# Altium PCB PCB.PcbDoc
Units mm, origin at the board's own origin, x right, y up, seen from the top; angles counter-clockwise.
Board outline 93 x 70 mm, 2 copper layers (Top Layer, Bottom Layer), stack 1.57 mm thick; 108 components, 72 nets, 346 pads, 459 vias.
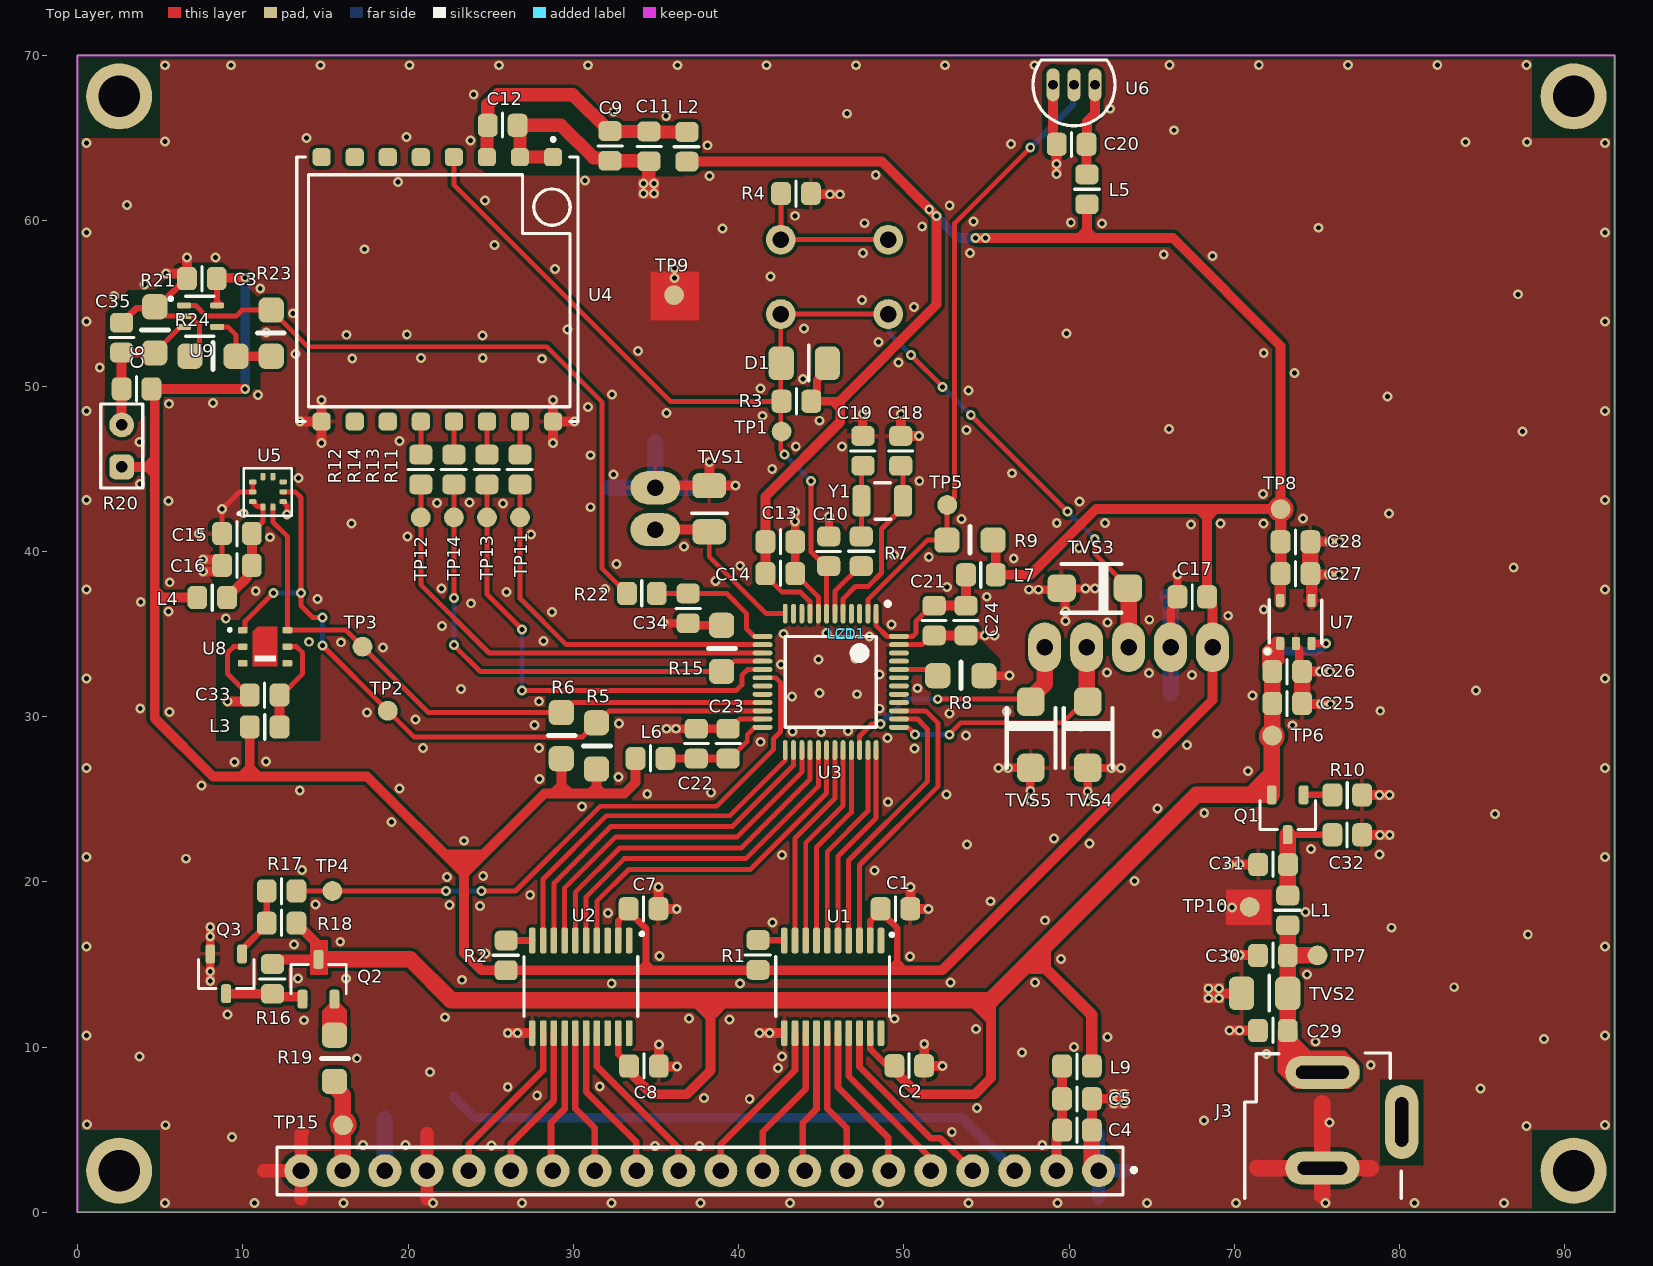
[diagram p0: Top Layer view]
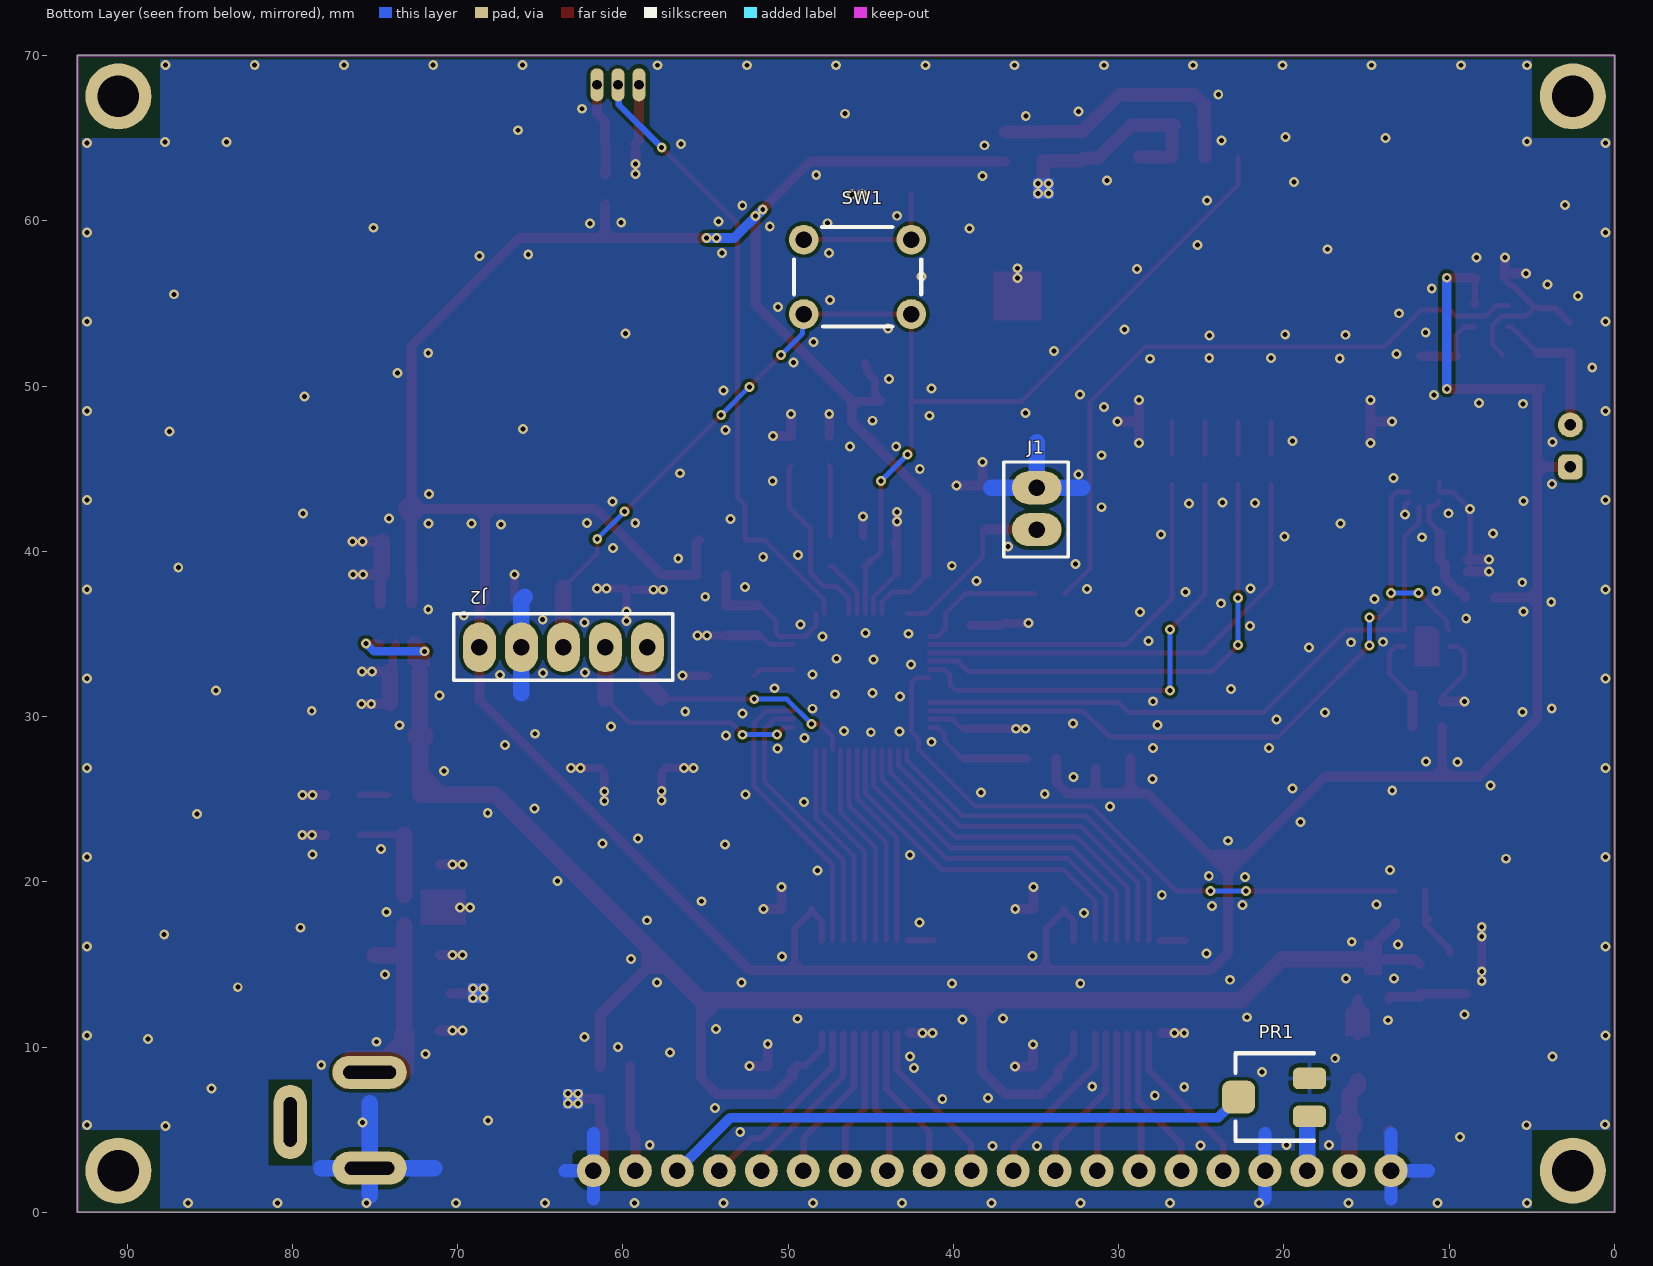
[diagram p1: Bottom Layer view, seen from below]

## Layer stack, top to bottom
Top Solder: solder mask 0.0254, SM-001, Dk 4
Top Layer: signal copper 0.035
Dielectric 1: core 1.5, Core-043, Dk 4.3
Bottom Layer: signal copper 0.035
Bottom Solder: solder mask 0.0254, SM-001, Dk 4

## Board outline
0,0 93,0 93,69.999 0.001,69.999 0,70

## Design rules (kind name [scope] priority, off if disabled: settings)
Clearance [All] p1: gap=0.2 ignorepadtopadclearanceinfootprint=FALSE except(0: Arc-Hole Track-Hole SMDPad-Hole THPad-Hole Via-Hole Fill-Hole Poly-Hole Region-Hole Text-Hole)
ComponentClearance [InComponent('Radiator1')] p1: gap=0 collisioncheckmode=3 verticalgap=0 showdistances=FALSE
Height [All] p1: minheight=0 maxheight=40 prefheight=12.7
HoleSize [All] p1: absolutevalues=TRUE maxlimit=5 minlimit=0.025 maxpercent=80.000 minpercent=20.000
MinimumSolderMaskSliver MinimumSolderMaskSliver_1 [All] p1: minsoldermaskwidth=0.08
MinimumSolderMaskSliver MinimumSolderMaskSliver_APDS [InComponent('U2')] p2: minsoldermaskwidth=0.08
PolygonConnect PolygonConnect_1 [HasFootprint('PN949')] p1: connectstyle=Relief reliefconductorwidth=0.5 reliefentries=4 polygonreliefangle="90 Angle" airgapwidth=0.254
PolygonConnect PolygonConnect_Via [IsVia] p2: connectstyle=Direct reliefconductorwidth=0.254 reliefentries=4 polygonreliefangle="90 Angle" airgapwidth=0.254
PolygonConnect [All] p3: connectstyle=Relief reliefconductorwidth=0.254 reliefentries=4 polygonreliefangle="90 Angle" airgapwidth=0.254
RoomDefinition PSU [InComponentClass('PSU')] p1: confinementstyle=ConfineIn formatcopy=TRUE lockcomponents=FALSE outline -103.325,-45.2 189.45,-45.2 189.45,185.525 -103.325,185.525
RoomDefinition Main [InComponentClass('Main')] p2: confinementstyle=ConfineIn formatcopy=TRUE lockcomponents=FALSE outline -128.55,-45.2 225.025,-45.2 225.025,160.2 -128.55,160.2
RoomDefinition "LCD module" [InComponentClass('LCD module')] p3: confinementstyle=ConfineIn formatcopy=TRUE lockcomponents=FALSE outline -105.8,-45.2 216.275,-45.2 216.275,184.575 -105.8,184.575
RoutingVias [All] p1: holewidth=0.3 width=0.6 viastyle="Through Hole" minholewidth=0.3 minwidth=0.5 maxholewidth=0.3 maxwidth=0.7
SilkToSilkClearance [All] p1: silktosilkclearance=0.1
SilkToSolderMaskClearance [IsPad] p1: minsilkscreentomaskgap=0.2 clearancetoexposedcopper=TRUE
SolderMaskExpansion [All] p1: expansion=0.102
Width [All] p1: maxlimit=10 minlimit=0.3 preferedwidth=0.5 minimp=50.000000 maximp=50.000000 favimp=50.000000
24 further rules are at their usual default settings.

## Classes and differential pairs
net class LCD_D[7..0]: LCD_D0 LCD_D1 LCD_D2 LCD_D3 LCD_D4 LCD_D5 LCD_D6 LCD_D7
component class PSU: C25 C26 C27 C28 C29 C30 C31 C32 J3 L1 Q1 R10 TP6 TP7 TP8 TP9 TP10 TVS2 U7
component class Main: C3 C6 C9 C10 C11 C12 C13 C14 C15 C16 C17 C18 C19 C20 C21 C22 C23 C24 C33 C34 C35 CASING1 D1 J1 J2 L2 L3 L4 L5 L6 L7 PS1 R3 R4 R5 R6 R7 R8 R9 R11 R12 R13 R14 R15 R20 R21 R22 R23 R24 SW1 TP1 TP2 TP3 TP5 TP11 TP12 TP13 TP14 TVS1 TVS3 TVS4 TVS5 U3 U4 U5 U6 U8 U9 Y1 Z1
component class "LCD module": C1 C2 C4 C5 C7 C8 L9 LCD1 PR1 Q2 Q3 R1 R2 R16 R17 R18 R19 TP4 TP15 U1 U2

## Components (designator, comment, footprint, x,y, rotation, side; value= is the part's Value field where it differs from the comment)
C1 "Capacitor" C_0805 49.49,18.375 r0 top value=100n
C2 "Capacitor" C_0805 50.325,8.875 r180 top value=100n
C3 "Capacitor" C_0805 7.525,56.5 r0 top value=100n
C4 "Capacitor" C_0805 60.475,4.975 r0 top value=100n
C5 "Capacitor" C_0805 60.475,6.875 r0 top value=22u
C6 "Capacitor" C_0805 3.575,49.825 r180 top value=DNI
C7 "Capacitor" C_0805 34.25,18.375 r0 top value=100n
C8 "Capacitor" C_0805 34.275,8.85 r180 top value=100n
C9 "Capacitor" C_0805 32.225,64.525 r90 top value=10u
C10 "Capacitor" C_0805 45.453,40 r270 top value=100n
C11 "Capacitor" C_0805 34.575,64.5 r90 top value=10u
C12 "Capacitor" C_0805 25.725,65.775 r180 top value=100n
C13 "Capacitor" C_0805 42.525,40.575 r180 top value=1u
C14 "Capacitor" C_0805 42.525,38.65 r180 top value=10n
C15 "Capacitor" C_0805 9.65,41.075 r0 top value=100n
C16 "Capacitor" C_0805 9.65,39.15 r0 top value=10u
C17 "Capacitor" C_0805 67.45,37.25 r0 top value=100n
C18 "Capacitor" C_0805 49.815,46.077 r270 top value=14p
C19 "Capacitor" C_0805 47.524,46.077 r270 top value=14p
C20 "Capacitor" C_0805 60.15,64.625 r0 top value=100n
C21 "Capacitor" C_0805 51.837,35.809 r270 top value=22u
C22 "Capacitor" C_0805 37.443,28.362 r90 top value=22u
C23 "Capacitor" C_0805 39.364,28.362 r90 top value=100n
C24 "Capacitor" C_0805 53.758,35.809 r270 top value=100n
C25 "Capacitor" C_0805 73.195,30.8 r0 top value=1u
C26 "Capacitor" C_0805 73.195,32.725 r0 top value=100n
C27 "Capacitor" C_0805 73.695,38.65 r0 top value=100n
C28 "Capacitor" C_0805 73.695,40.575 r0 top value=1u
C29 "Capacitor" C_0805 72.325,11 r180 top value=100n
C30 "Capacitor" C_0805 72.325,15.55 r180 top value=100n
C31 "Capacitor" C_0805 72.336,21.05 r180 top value=100n
C32 "Capacitor" C_0805 76.825,22.85 r0 top value=10u
C33 "Capacitor" C_0805 11.325,31.306 r0 top value=100n
C34 "Capacitor" C_0805 36.95,36.55 r90 top value=10n
C35 "Capacitor" C_0805 2.675,52.925 r90 top value=DNI
D1 "SS110-TP" D_1206 43.974,51.375 r0 top
J1 "Header 2" "header 2.54mm 2pin" 34.959,42.576 r90 bottom value=HDR2
J2 "Header 5" "header 2.54mm 5pin" 63.601,34.19 r180 bottom value=HDR5
J3 "PWR2.5" WE_WR_DC_694106301002 75.325,-5.125 r180 top
L1 "742792031" L_0805 73.225,18.275 r90 top value=300@100M
L2 "Inductor" L_0805 36.875,64.475 r90 top value=10u
L3 "742792031" L_0805 11.325,29.375 r180 top value=300@100M
L4 "742792031" L_0805 8.15,37.2 r180 top value=300@100M
L5 "742792031" L_0805 61.075,61.9 r270 top value=300@100M
L6 "742792031" L_0805 34.67,27.464 r0 top value=300@100M
L7 "742792031" L_0805 54.66,38.579 r180 top value=300@100M
L9 "742792031" L_0805 60.475,8.85 r180 top value=300@100M
LCD1 "ABG128064A05-FHW-R" GLCD 13.525,2.524 r0 top locked
PR1 "T67W-20K" "1804 potentiometer" 20.604,6.957 r90 bottom
Q1 "MOSFET-P" SOT-23 73.225,24.044 r270 top
Q2 "MOSFET-N" SOT-23 14.585,14.119 r90 top
Q3 "BC817-40-DIO" SOT-23 9,14.425 r270 top
R1 "Resistor" R_0805 41.175,15.575 r90 top value=62k
R2 "Resistor" R_0805 25.939,15.55 r90 top value=62k
R3 "Resistor" R_0805 43.499,49.075 r0 top value=10k
R4 "Resistor" R_0805 43.474,61.65 r180 top value=330
R5 "Resistor" R_1206 31.4,28.225 r270 top value=10k
R6 "Resistor" R_1206 29.275,28.85 r270 top value=10k
R7 "Resistor" R_0805 47.425,40 r270 top value=0
R8 "Resistor" R_1206 53.447,32.475 r0 top value=10k
R9 "Resistor" R_1206 54,40.675 r0 top value=4k7
R10 "Resistor" R_0805 76.825,25.263 r180 top value=10k
R11 "Resistor" R_0805 26.775,44.95 r90 top value=22R
R12 "Resistor" R_0805 20.775,44.95 r90 top value=22R
R13 "Resistor" R_0805 24.775,44.95 r90 top value=22R
R14 "Resistor" R_0805 22.775,44.95 r90 top value=22R
R15 "Resistor" R_1206 38.975,34.125 r270 top value=10k
R16 "Resistor" R_0805 11.8,14.125 r90 top value=2k2
R17 "Resistor" R_0805 12.35,19.45 r180 top value=15k
R18 "Resistor" R_0805 12.35,17.5 r0 top value=150k
R19 "Resistor" R_1206 15.55,9.325 r270 top value=4R
R20 "PGM5506-MP" Photoresistor 2.675,46.375 r90 top value=2-6k
R21 "Resistor" R_1206 4.675,53.397 r270 top value=10k
R22 "Resistor" R_0805 34.15,37.45 r0 top value=22R
R23 "Resistor" R_1206 11.725,53.197 r90 top value=2k
R24 "Resistor" R_1206 8.2,51.8 r0 top value=1k
SW1 "Switch-PB 4 Pins" SPST_NO_1301 45.803,56.606 r180 bottom value=TACT-64N-F
TP1 "TEST PAD" PIN 42.603,47.25 r90 top
TP2 "TEST PAD" PIN 18.776,30.349 r90 top
TP3 "TEST PAD" PIN 17.25,34.231 r90 top
TP4 "TEST PAD" PIN 15.425,19.45 r90 top
TP5 "TEST PAD" PIN 52.625,42.8 r90 top
TP6 "TEST PAD" PIN 72.295,28.85 r0 top
TP7 "TEST PAD" PIN 75.024,15.549 r90 top
TP8 "TEST PAD" PIN 72.795,42.55 r0 top
TP9 "TEST PAD" PIN 36.1,55.5 r90 top
TP10 "TEST PAD" PIN 70.925,18.475 r90 top
TP11 "TEST PAD" PIN 26.775,42.05 r90 top
TP12 "TEST PAD" PIN 20.775,42.05 r90 top
TP13 "TEST PAD" PIN 24.775,42.05 r90 top
TP14 "TEST PAD" PIN 22.775,42.05 r90 top
TP15 "TEST PAD" PIN 16.065,5.275 r90 top
TVS1 "SMAJ5.0ALFCT-ND" D_1206 38.225,42.575 r270 top value=5V
TVS2 "SMAJ5.0ALFCT-ND" D_1206 71.828,13.25 r0 top value=5V
TVS3 "SMAJ5.0ALFCT-ND" D_SMA 61.55,37.775 r0 top value=5V
TVS4 "SMAJ5.0ALFCT-ND" D_SMA 61.125,28.9 r90 top value=5V
TVS5 "SMAJ5.0ALFCT-ND" D_SMA 57.675,28.9 r90 top value=5V
U1 "TXB0108PWR" TSSOP20 48.615,16.45 r180 top
U2 "TXB0108PWR" TSSOP20 33.375,16.45 r180 top
U3 "STM32F030C6T6" LQFP-48 45.575,32.099 r270 top
U4 "LoRa RA-02 SX1278 433MHz" RA-02 21.775,55.85 r270 top value=RA-02
U5 "LPS25HB" LPS25HB 11.525,43.6 r180 top
U6 "DS18B20" TO-92 60.295,68.225 r90 top
U7 "TPS78233" SOP5(6) 73.72,35.725 r90 top
U8 "SHT21" DFN6 11.35,34.231 r0 top
U9 "MCP6001T" SOT23-5 7.45,54.225 r0 top value=MCP6001T-I/OT
Y1 "7A-8.000MAAE-T" CFPX_217 48.693,43.05 r180 top value=8MHz
Z1 "Maszczyk KM-77GY" KM-77GY 46.5,34.975 r180 top locked

## Footprints (in the part's own frame and the unit in brackets; to place one, negate y for a bottom-side part, rotate by r counter-clockwise, add the part's x,y. Pads: shape width x height; smd on the part's side, far side on the other; paste and mask are expansions set on the pad)
"1804 potentiometer" [mm]
  rrect50% 1.3x2 smd: 1(1.15,-2.146) 3(-1.15,-2.146)
  rrect50% 2x2 smd: 2(0.018,2.146)
  silkscreen extent -2.62,-2.43 2.67,2.34, body extent -2.47,-2.57 2.53,2.23, height 2.3
C_0805 [mm] "Chip Capacitor, Body 2.0x1.3mm, IPC High Density"
  rrect50% 1.2x1.4 smd: 1(-0.9,0) 2(0.9,0)
  silkscreen extent 0,-0.75 0,0.72, body extent -1.01,-0.62 0.99,0.63, height 0.8
CFPX_217 [mm] "3.2 x 1.5mm SMD crystal"
  rrect50% 1.1x1.9 smd: 1(-1.257,0) 2(1.257,0)
  silkscreen extent -0.51,-1.09 0.46,1.12, body extent -1.57,-0.76 1.65,0.76, height 0.91
D_1206 [mil]
  rrect50% 60x80 smd: 1(-55,0) 2(55,0)
  silkscreen extent 11,-42 11,43, body extent -66,-34 66,34, height 33
D_SMA [mm]
  rrect50% 1.73x1.67 smd: 1(-2.007,0) 2(2.007,0)
  silkscreen extent -2.01,-1.5 1.63,1.45, body extent -2.55,-1.38 2.45,1.32, height 2.28
DFN6 [mm] "body 3x3mm"
  rrect50% 0.6x0.4 smd: 1(-1.35,1) 2(-1.35,0) 3(-1.35,-1) 4(1.35,-1) 5(1.35,0) 6(1.35,1)
  Top Layer region: 0.75,-1.2 -0.75,-1.2 -0.75,0.9 -0.45,1.2 0.75,1.2
  silkscreen extent -2.21,-0.89 0.66,1.09, body extent -1.5,-1.5 1.5,1.5, height 1
GLCD [mm] "graphic LCD 128x64"
  round 2 hole 1: 1(48.26,0) 2(45.72,0) 3(43.18,0) 4(40.64,0) 5(38.1,0) 6(35.56,0) 7(33.02,0) 8(30.48,0) 9(27.94,0) 10(25.4,0) 11(22.86,0) 12(20.32,0) 13(17.78,0) 14(15.24,0) 15(12.7,0) 16(10.16,0) 17(7.62,0) 18(5.08,0) 19(2.54,0) 20(0,0)
  round 4 hole 2.5: MH1(-11,0) MH2(77,0) MH3(-11,65) MH4(77,65)
  silkscreen extent -1.45,-1.45 50.52,1.42, body extent -13.53,-2.52 79.47,67.48, height 20.9
"header 2.54mm 2pin" [mm]
  oval 2x3 hole 1: 1(-1.27,0) 2(1.27,0)
  silkscreen extent -2.93,-1.9 2.83,2, body extent -2.54,-1.27 2.54,1.27, height 8.57
"header 2.54mm 5pin" [mm] "Connector; Header; 5 Position"
  oval 2x3 hole 1: 1(-5.08,0) 2(-2.54,0) 3(0,0) 4(2.54,0) 5(5.08,0)
  silkscreen extent -6.63,-2 6.63,2.02, body extent -6.35,-1.27 6.35,1.27, height 8.57
KM-77GY [mm]
  body extent -60,-40 60,40, height 19
L_0805 [mm] "Chip Inductor Body 2.0x1.2mm, IPC Medium Density"
  rrect50% 1.2x1.4 smd: 1(-0.9,0) 2(0.9,0)
  silkscreen extent 0,-0.74 0,0.76, body extent -1.01,-0.63 0.99,0.57, height 0.95
LPS25HB [mm]
  rrect50% 0.3x0.45 smd mask+0.051: 1(0.3,0.92) 2(-0.3,0.92) 6(-0.3,-0.92) 7(0.3,-0.92)
  rrect50% 0.45x0.3 smd mask+0.051: 3(-0.92,0.6) 4(-0.92,0) 5(-0.92,-0.6) 8(0.92,-0.6) 9(0.92,0) 10(0.92,0.6)
  silkscreen extent -1.43,-1.43 1.78,1.45, body extent -2.01,-1.26 1.24,1.24, height 1
LQFP-48 [mm] "Thin QFP, 48-Leads, Body 7x7mm, Pitch 0.5mm, IPC Medium Density"
  oval 1.2x0.3 smd: 1(-4.126,2.75) 2(-4.126,2.25) 3(-4.126,1.75) 4(-4.126,1.25) 5(-4.126,0.75) 6(-4.126,0.25) 7(-4.126,-0.25) 8(-4.126,-0.75) 9(-4.126,-1.25) 10(-4.126,-1.75) 11(-4.126,-2.25) 12(-4.126,-2.75) 25(4.126,-2.75) 26(4.126,-2.25) 27(4.126,-1.75) 28(4.126,-1.25) 29(4.126,-0.75) 30(4.126,-0.25) 31(4.126,0.25) 32(4.126,0.75) 33(4.126,1.25) 34(4.126,1.75) 35(4.126,2.25) 36(4.126,2.75)
  oval 0.3x1.2 smd: 13(-2.75,-4.126) 14(-2.25,-4.126) 15(-1.75,-4.126) 16(-1.25,-4.126) 17(-0.75,-4.126) 18(-0.25,-4.126) 19(0.25,-4.126) 20(0.75,-4.126) 21(1.25,-4.126) 22(1.75,-4.126) 23(2.25,-4.126) 24(2.75,-4.126) 37(2.75,4.126) 38(2.25,4.126) 39(1.75,4.126) 40(1.25,4.126) 41(0.75,4.126) 42(0.25,4.126) 43(-0.25,4.126) 44(-0.75,4.126) 45(-1.25,4.126) 46(-1.75,4.126) 47(-2.25,4.126) 48(-2.75,4.126)
  silkscreen extent -4.85,-2.75 2.75,3.58, body extent -4.5,-4.5 4.5,4.5, height 1.6
Photoresistor [mm]
  rrect50% 1.5x1.5 hole 0.7: 1(-1.27,0)
  round 1.5 hole 0.7: 2(1.27,0)
  silkscreen extent -2.54,-1.27 2.54,1.27
PIN [mm] "Test Pad"
  round 1.2 smd: 1(0,0)
R_0805 [mm] "Chip Resistor, Body 2.0x1.2mm, IPC Medium Density"
  rrect50% 1.2x1.4 smd: 1(-0.9,0) 2(0.9,0)
  silkscreen extent 0,-0.75 0,0.77, body extent -1.16,-0.67 1.14,0.68, height 0.76
R_1206 [mil]
  rrect50% 60x60 smd: 1(-55,0) 2(55,0)
  silkscreen extent 0,-31 0,33, body extent -62,-31 64,32, height 22
RA-02 [mm]
  rrect50% 1.1x1.1 smd: 1(-8,7) 2(-8,5) 3(-8,3) 4(-8,1) 5(-8,-1) 6(-8,-3) 7(-8,-5) 8(-8,-7) 9(8,-7) 10(8,-5) 11(8,-3) 12(8,-1) 13(8,1) 14(8,3) 15(8,5) 16(8,7)
  silkscreen extent -9.14,-8.51 8,8.51, body extent -8,-8.5 8,8.5
SOP5(6) [mm] "Small Outline; 6 Leads (1 Absent); Body Width 4.4 mm; Pitch 1.27 mm"
  rrect50% 0.8x0.5 smd mask+0.076: 1(-1.3,0.95) 2(-1.3,0) 3(-1.3,-0.95) 4(1.3,-0.95) 5(1.3,0.95)
  silkscreen extent -1.88,-1.56 1.34,1.83, body extent -1.2,-1.52 1.3,1.48, height 1.11
SOT23-5 [mm] "SOT23, 6-Leads, Body 2.9x1.6mm, Pitch 0.95mm, Lead Span 2.7mm, IPC Medium Density"
  rrect50% 0.85x0.35 smd: 1(-1,0.65) 2(-1,0) 3(-1,-0.65) 4(1,-0.65) 5(1,0.65)
  silkscreen extent -1.9,-1.21 0.82,1.2, body extent -1.2,-1.05 1.1,1.05, height 1
SOT-23 [mm] "SOT23, 3-Leads, Body 2.9x1.3mm, Pitch 0.95mm, Lead Span 2.5mm, IPC Medium Density"
  rrect50% 1.15x0.6 smd: 1(-1.219,0.965) 2(-1.219,-0.965) 3(1.194,0)
  silkscreen extent -0.89,-1.68 0.89,1.68, body extent -1.53,-1.5 1.47,1.5, height 1.3
SPST_NO_1301 [mm] "Micro Switch case 1301"
  round 1.8 hole 1: 1(-3.25,2.25) 2(3.25,2.25) 3(-3.25,-2.25) 4(3.25,-2.25)
  silkscreen extent -3.85,-3.01 3.85,3.01, body extent -3.85,-3 3.85,3, height 4.3
TO-92 [mm] "TO, Flat Index; 3 In-Line, Axial Leads; Body Dia. 4.5mm; Leads 0.51 x 0.48 mm (max)"
  oval 2x0.8 hole 0.6: 1(0,1.27) 2(0,0) 3(0,-1.27)
  silkscreen extent -2.48,-2.48 1.5,2.48, body extent -2.38,-2.38 1.25,2.38, height 4.82
TSSOP20 [mm] "TSSOP, Plastic; 20 Leads; Body Width 5.3 mm; Pitch 0.65 mm"
  rrect50% 0.4x1.55 smd mask+0.07: 1(0,0) 2(0.65,0) 3(1.3,0) 4(1.95,0) 5(2.6,0) 6(3.25,0) 7(3.9,0) 8(4.55,0) 9(5.2,0) 10(5.85,0) 11(5.85,5.6) 12(5.2,5.6) 13(4.55,5.6) 14(3.9,5.6) 15(3.25,5.6) 16(2.6,5.6) 17(1.95,5.6) 18(1.3,5.6) 19(0.65,5.6) 20(0,5.6)
  silkscreen extent -0.71,-0.4 6.36,4.6, body extent -0.38,-0.51 6.22,6.09, height 1.2
WE_WR_DC_694106301002 [mm]
  oval 4.5x2 hole 0.8 slot 3.2 at 0 deg: 1(0,-13.6)
  oval 4.5x2 hole 0.8 slot 3 at 0 deg: 2(0,-7.8)
  oval 2x4.5 hole 0.8 slot 3 at 90 deg: 3(-4.8,-10.6)
  silkscreen extent -4.77,-14.77 4.7,-5.97, body extent -4.9,-14.5 4.5,0, height 10.75

## Part data
D1: library part "Diode Schottky", "Schottky Diode"
J1: "Header, 2-Pin"
J2: "Header, 5-Pin"
J3: "Low Voltage Power Supply Connector", ComponentLink1Description="Manufacturer Link", ComponentLink1URL=http://domino.kycon.com/internet/Products.html
L1 L3 L4 L5 L6 L7 L9: library part FB, "Ferrite Bead"
LCD1: library part "LCD 128x64", "Graphic LCD 128x64"
PR1: library part Potentiometer, "3 pin Potentiometer", =20k
Q1: "P-Channel MOSFET"
Q2: "N-Channel MOSFET"
Q3: library part NPN, "NPN Bipolar Transistor"
R20: library part "Resistor Photo", "Photo Resistor"
SW1: "Switch 4 Pins"
TP1 TP4 TP6 TP7 TP8 TP9 TP10 TP11 TP12 TP13 TP14 TP15: library part TEST_PAD, "PAD 1.5mm"
TP2 TP3 TP5: library part TEST_PAD
TVS1 TVS2 TVS3 TVS4 TVS5: library part Transil, "Transil"
U1 U2: library part TXB0108, "TXB0108 8-Bit Bidirectional Voltage-Level Translator with Auto-Direction Sensing and  ±15-kV ESD Protection"
U3: "Microcontroler ARM; Flash: 32kB; 48MHz; SRAM: 4kB; LQFP48"
U4: library part "RA-02 SX1278"
U5: "MEMS pressure sensor: 260-1260 hPa absolute digital output barometer, HCLGA10, STM, RoHS"
U6: "DS18B20  Programmable Resolution  1-Wire Digital Thermometer"
U7: "150-mA, ultra-low quiescent qurrent (500 nA) low-dropout linear regulator"
U8: "Humidity and Temperature Sensor IC"
U9: "Rail to Rail Operational Amplifier"
Y1: library part XTAL, "Crystal Oscillator"
Z1: library part KM-77GY, "X:80mm; Y:120mm; Z:31mm; ABS; gray"

## Via types
v1: diameter 0.6, hole 0.3, Top Layer to Bottom Layer, tented both sides, 459 vias
